# KiCad board 0xaxe.kicad_pcb
rev: 302
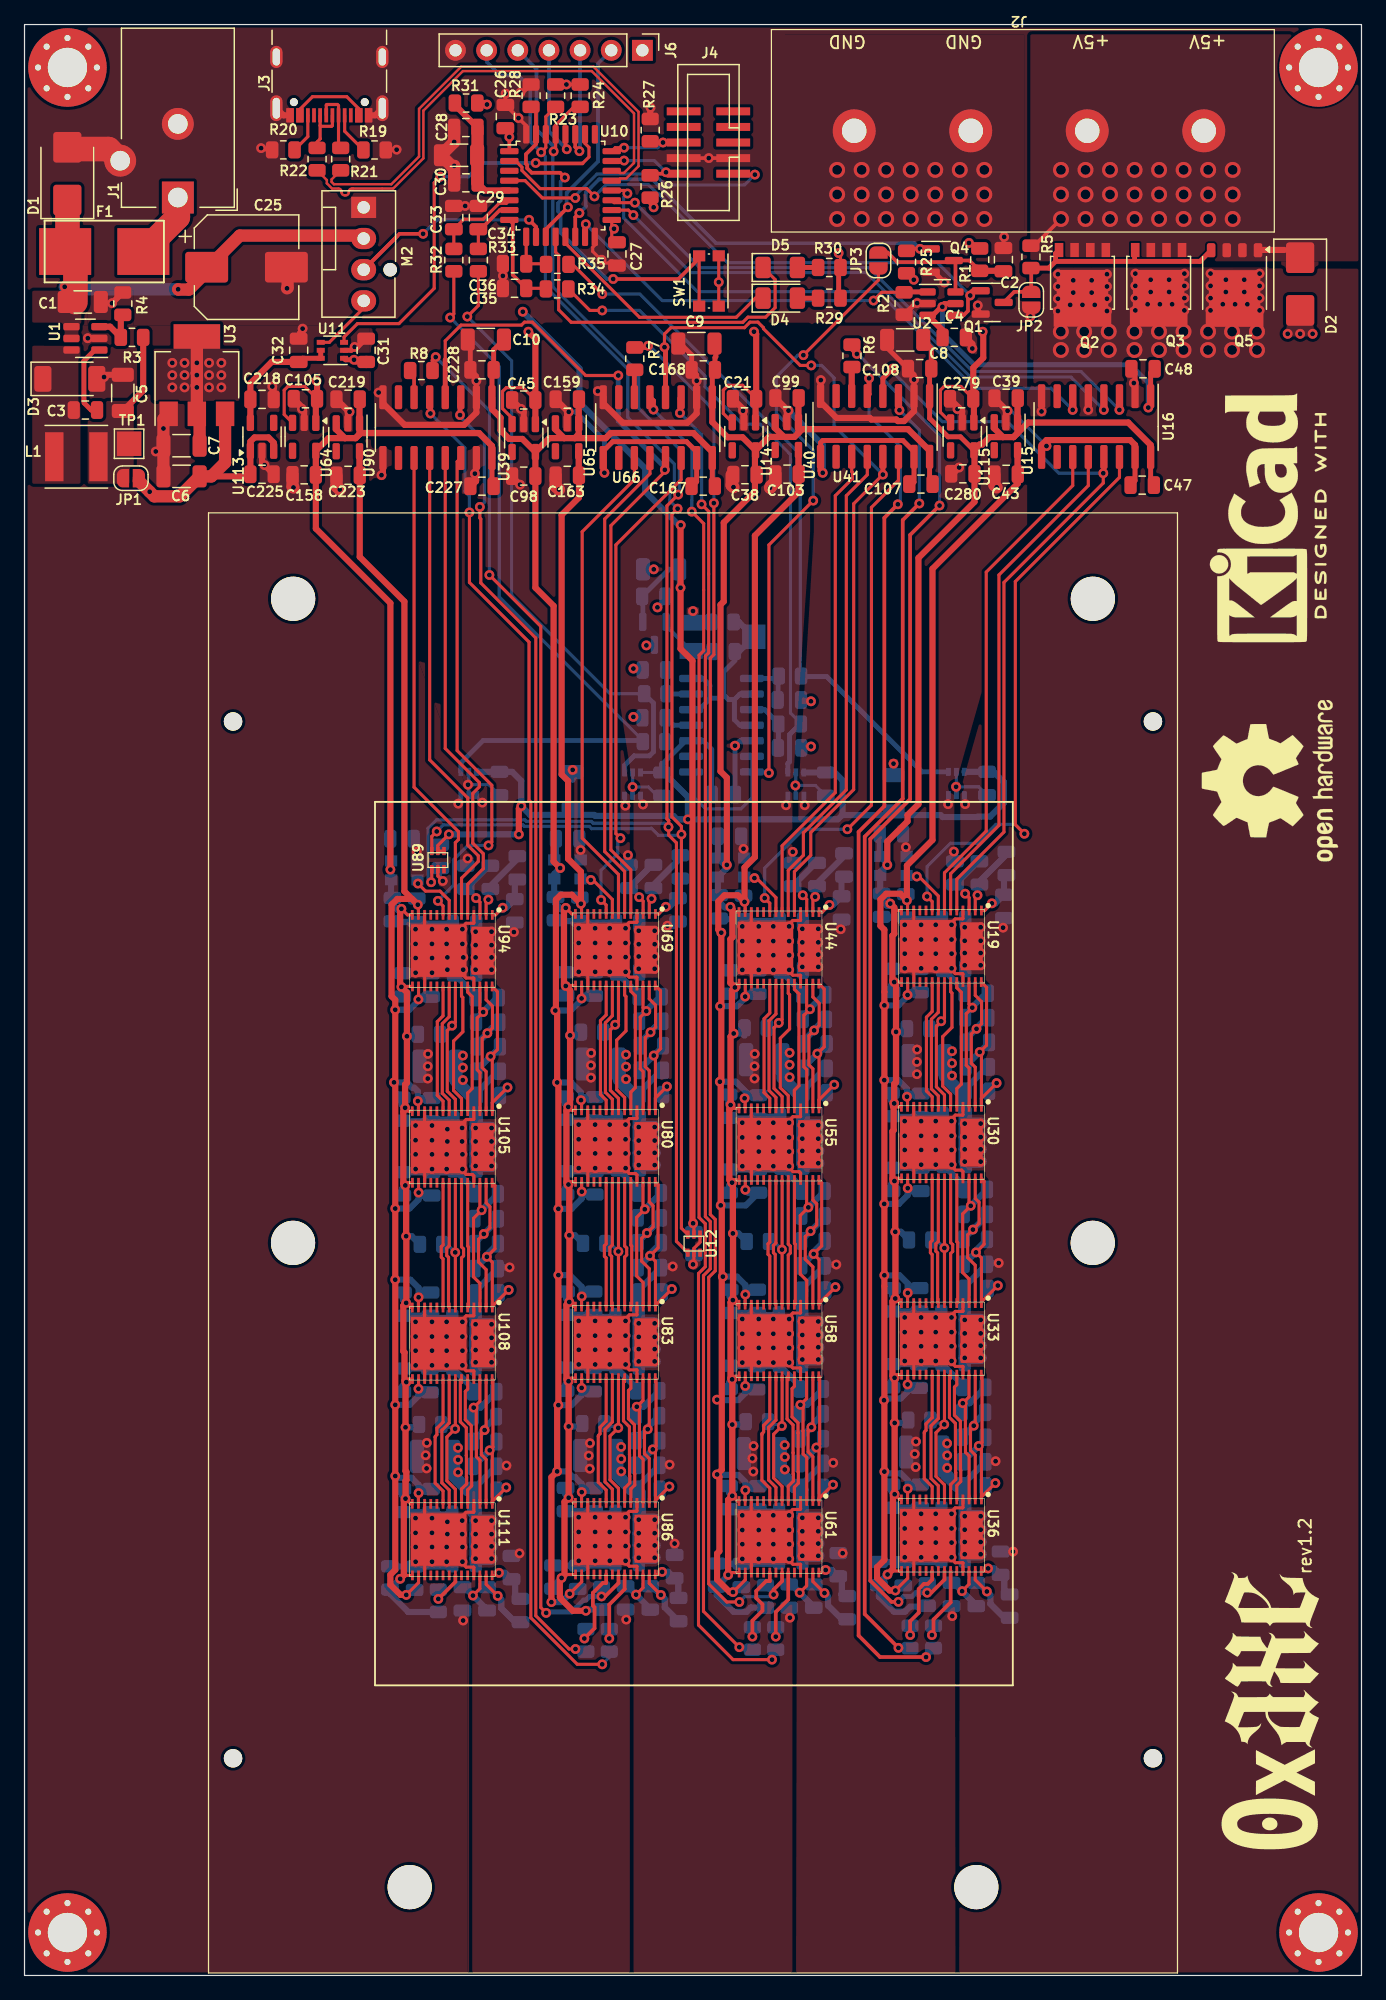
[diagram p0: board, top side]
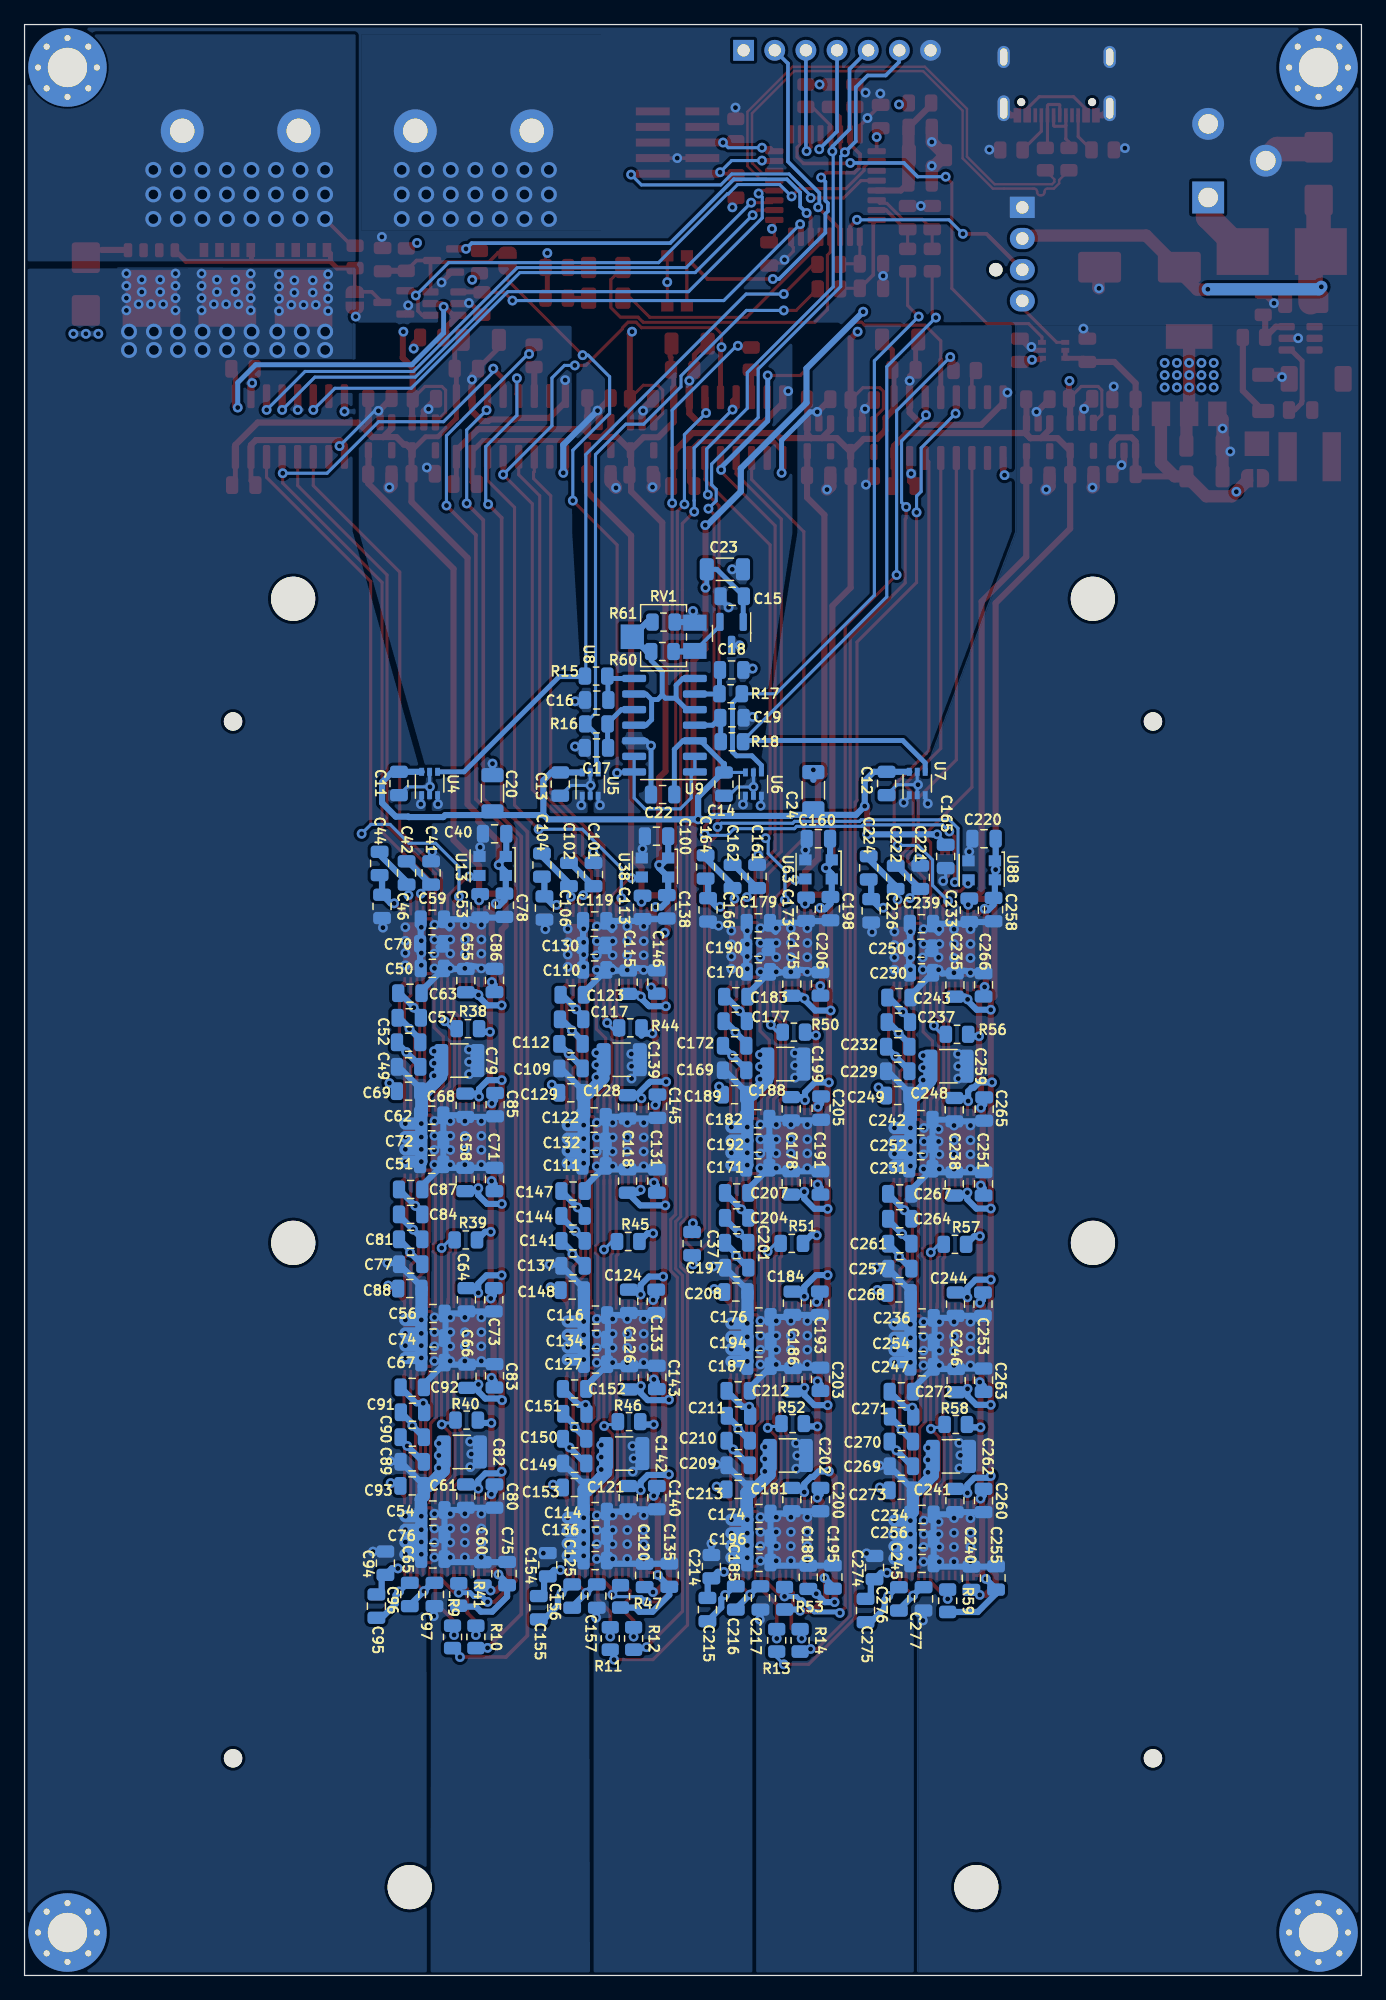
[diagram p1: board, bottom side, seen from below]

Outline 109 x 159 mm; copper layers: Top, In1.Cu, In2.Cu, Bottom. Coordinates in mm from the lower left corner of the outline.
Outline path: 0,159 0,0 109,0 109,159 0,159
Stack: Top 0.02mm / dielectric 0.5mm FR4 er 4.5 / In1.Cu 0.02mm / dielectric 0.5mm FR4 er 4.5 / In2.Cu 0.02mm / dielectric 0.5mm FR4 er 4.5 / Bottom 0.02mm

## Placement (name value [footprint] x y rotation side)
C1  10µ/50V  [C_1206_3216Metric]  4.75 136.39 0 top
C2  100n  [C_0805_2012Metric]  79.81 139.84 90 top
C3  10n/250V  [C_0805_2012Metric]  4.96 127.58 180 top
C4  100n  [C_0805_2012Metric]  75.8 133.5 0 top
C5  22µ/16V  [C_1206_3216Metric]  8.01 128.98 90 top
C6  10µ/50V  [C_1206_3216Metric]  12.8 122.17 180 top
C7  22µ/16V  [C_1206_3216Metric]  12.8 124.67 180 top
C8  10µ/50V  [C_1206_3216Metric]  71.8 133.3 180 top
C9  10µ/50V  [C_1206_3216Metric]  54.78 133 180 top
C10  10µ/50V  [C_1206_3216Metric]  37.61 133.32 180 top
C11  100n  [C_0805_2012Metric]  78.47 97.15 270 bottom
C12  100n  [C_0805_2012Metric]  38.72 97.15 270 bottom
C13  100n  [C_0805_2012Metric]  65.32 97.1 270 bottom
C14  100n  [C_0805_2012Metric]  51.98 97.1 270 bottom
C15  100n  [C_0805_2012Metric]  51.3 112.4 0 bottom
C16  100n  [C_0805_2012Metric]  62.35 103.95 0 bottom
C17  100n  [C_0805_2012Metric]  62.37 100.05 0 bottom
C18  100n  [C_0805_2012Metric]  51.35 106.4 180 bottom
C19  100n  [C_0805_2012Metric]  51.33 102.5 180 bottom
C20  10µ/50V  [C_1206_3216Metric]  70.85 96.35 90 bottom
C21  100n  [C_0805_2012Metric]  58.7 128.5 180 top
C22  100n  [C_0805_2012Metric]  56.97 96.25 0 bottom
C23  10µ/50V  [C_1206_3216Metric]  51.9 114.6 180 bottom
C24  10µ/50V  [C_1206_3216Metric]  44.69 96.6 90 bottom
C25  330µ  [CP_Elec_8x10]  18.1 139.22 0 top
C26  100n  [C_0805_2012Metric]  39.2 151.5 90 top
C27  100n  [C_0805_2012Metric]  48.3 140.3 270 top
C28  100n  [C_0805_2012Metric]  35.98 150.6 180 top
C29  1µ  [C_0805_2012Metric]  35.98 146.1 180 top
C30  10µ/50V  [C_1206_3216Metric]  35.42 148.35 180 top
C31  100n  [C_0805_2012Metric]  27.85 132.45 90 top
C32  100n  [C_0805_2012Metric]  22.35 132.45 90 top
C33  100n  [C_0805_2012Metric]  35 143.27 90 top
C34  100n  [C_0805_2012Metric]  37 143.27 90 top
C35  100n  [C_0805_2012Metric]  39.95 137.5 180 top
C36  100n  [C_0805_2012Metric]  39.95 139.5 180 top
C37  100n  [C_0805_2012Metric]  54.57 59.65 270 bottom
C38  1µ  [C_0805_2012Metric]  58.73 122.31 180 top
C39  100n  [C_0805_2012Metric]  80.03 128.55 180 top
C40  100n  [C_0805_2012Metric]  70.67 93.05 0 bottom
C41  1µ  [C_0805_2012Metric]  75.85 89.85 270 bottom
C42  1µ  [C_0805_2012Metric]  77.85 89.85 270 bottom
C43  1µ  [C_0805_2012Metric]  80.03 122.35 180 top
C44  1µ  [C_0805_2012Metric]  80.05 90.63 270 bottom
C45  100n  [C_0805_2012Metric]  40.7 128.4 180 top
C46  1µ  [C_0805_2012Metric]  79.85 87.13 270 bottom
C47  100n  [C_0805_2012Metric]  91.12 121.46 180 top
C48  100n  [C_0805_2012Metric]  91.19 130.94 180 top
C49  1µ  [C_0805_2012Metric]  77.69 74.05 180 bottom
C50  10µ/16V  [C_0805_2012Metric]  75.75 82.08 180 bottom
C51  10µ/16V  [C_0805_2012Metric]  75.8 66.11 180 bottom
C52  1µ  [C_0805_2012Metric]  77.69 76.05 0 bottom
C53  1µ  [C_0805_2012Metric]  71.85 87.18 90 bottom
C54  10µ/16V  [C_0805_2012Metric]  75.71 37.94 180 bottom
C55  1µ  [C_0805_2012Metric]  73.02 81.08 270 bottom
C56  10µ/16V  [C_0805_2012Metric]  75.7 53.95 180 bottom
C57  1µ  [C_0805_2012Metric]  77.64 78.05 180 bottom
C58  1µ  [C_0805_2012Metric]  73.07 64.87 270 bottom
C59  1µ  [C_0805_2012Metric]  75.75 86.08 180 bottom
C60  1µ  [C_0805_2012Metric]  71.64 32.73 270 bottom
C61  1µ  [C_0805_2012Metric]  73.02 39.07 90 bottom
C62  1µ  [C_0805_2012Metric]  75.8 70.11 180 bottom
C63  1µ  [C_0805_2012Metric]  77.58 80.05 180 bottom
C64  1µ  [C_0805_2012Metric]  72.97 55.07 90 bottom
C65  1µ  [C_0805_2012Metric]  75.71 33.94 180 bottom
C66  1µ  [C_0805_2012Metric]  72.92 48.84 270 bottom
C67  1µ  [C_0805_2012Metric]  75.7 49.95 180 bottom
C68  1µ  [C_0805_2012Metric]  73.07 70.92 90 bottom
C69  1µ  [C_0805_2012Metric]  77.69 72.07 180 bottom
C70  100n  [C_0805_2012Metric]  75.8 84.08 180 bottom
C71  1µ  [C_0805_2012Metric]  70.69 64.87 90 bottom
C72  100n  [C_0805_2012Metric]  75.8 68.11 180 bottom
C73  1µ  [C_0805_2012Metric]  70.74 55.07 270 bottom
C74  100n  [C_0805_2012Metric]  75.7 51.95 180 bottom
C75  1µ  [C_0805_2012Metric]  69.66 32.75 90 bottom
C76  100n  [C_0805_2012Metric]  75.71 35.94 180 bottom
C77  1µ  [C_0805_2012Metric]  77.52 57.97 180 bottom
C78  1µ  [C_0805_2012Metric]  69.87 87.23 270 bottom
C79  330µ/4V  [C_1210_3225Metric]  73.55 74.56 180 bottom
C80  1µ  [C_0805_2012Metric]  70.69 39.07 270 bottom
C81  1µ  [C_0805_2012Metric]  77.52 60 180 bottom
C82  330µ/4V  [C_1210_3225Metric]  73.35 42.66 180 bottom
C83  1µ  [C_0805_2012Metric]  70.69 48.87 90 bottom
C84  1µ  [C_0805_2012Metric]  77.52 62.03 180 bottom
C85  1µ  [C_0805_2012Metric]  70.64 70.97 270 bottom
C86  1µ  [C_0805_2012Metric]  70.69 81.09 90 bottom
C87  1µ  [C_0805_2012Metric]  77.52 64.06 180 bottom
C88  1µ  [C_0805_2012Metric]  77.58 55.98 180 bottom
C89  1µ  [C_0805_2012Metric]  77.39 41.86 180 bottom
C90  1µ  [C_0805_2012Metric]  77.39 43.87 180 bottom
C91  1µ  [C_0805_2012Metric]  77.37 45.9 180 bottom
C92  1µ  [C_0805_2012Metric]  77.39 47.93 180 bottom
C93  1µ  [C_0805_2012Metric]  77.4 39.9 180 bottom
C94  1µ  [C_0805_2012Metric]  79.58 33.6 270 bottom
C95  1µ  [C_0805_2012Metric]  80.31 30.1 270 bottom
C96  1µ  [C_0805_2012Metric]  77.59 31.05 270 bottom
C97  1µ  [C_0805_2012Metric]  75.58 31.05 270 bottom
C98  1µ  [C_0805_2012Metric]  40.7 122.2 180 top
C99  100n  [C_0805_2012Metric]  62.17 128.56 180 top
C100  100n  [C_0805_2012Metric]  57.47 92.85 0 bottom
C101  1µ  [C_0805_2012Metric]  62.61 89.73 270 bottom
C102  1µ  [C_0805_2012Metric]  64.61 89.73 270 bottom
C103  1µ  [C_0805_2012Metric]  62.17 122.36 180 top
C104  1µ  [C_0805_2012Metric]  66.81 90.5 270 bottom
C105  100n  [C_0805_2012Metric]  22.9 128.5 180 top
C106  1µ  [C_0805_2012Metric]  66.61 87 270 bottom
C107  100n  [C_0805_2012Metric]  73.08 121.55 180 top
C108  100n  [C_0805_2012Metric]  72.98 130.96 180 top
C109  1µ  [C_0805_2012Metric]  64.45 73.93 180 bottom
C110  10µ/16V  [C_0805_2012Metric]  62.51 81.95 180 bottom
C111  10µ/16V  [C_0805_2012Metric]  62.56 65.98 180 bottom
C112  1µ  [C_0805_2012Metric]  64.45 75.93 0 bottom
C113  1µ  [C_0805_2012Metric]  58.61 87.05 90 bottom
C114  10µ/16V  [C_0805_2012Metric]  62.47 37.81 180 bottom
C115  1µ  [C_0805_2012Metric]  59.78 80.95 270 bottom
C116  10µ/16V  [C_0805_2012Metric]  62.45 53.82 180 bottom
C117  1µ  [C_0805_2012Metric]  64.4 77.93 180 bottom
C118  1µ  [C_0805_2012Metric]  59.83 64.74 270 bottom
C119  1µ  [C_0805_2012Metric]  62.51 85.95 180 bottom
C120  1µ  [C_0805_2012Metric]  58.44 32.6 270 bottom
C121  1µ  [C_0805_2012Metric]  59.78 38.94 90 bottom
C122  1µ  [C_0805_2012Metric]  62.56 69.98 180 bottom
C123  1µ  [C_0805_2012Metric]  64.35 79.93 180 bottom
C124  1µ  [C_0805_2012Metric]  59.73 54.94 90 bottom
C125  1µ  [C_0805_2012Metric]  62.47 33.81 180 bottom
C126  1µ  [C_0805_2012Metric]  59.68 48.71 270 bottom
C127  1µ  [C_0805_2012Metric]  62.45 49.82 180 bottom
C128  1µ  [C_0805_2012Metric]  59.83 70.79 90 bottom
C129  1µ  [C_0805_2012Metric]  64.46 71.94 180 bottom
C130  100n  [C_0805_2012Metric]  62.56 83.95 180 bottom
C131  1µ  [C_0805_2012Metric]  57.45 64.74 90 bottom
C132  100n  [C_0805_2012Metric]  62.56 67.98 180 bottom
C133  1µ  [C_0805_2012Metric]  57.5 54.94 270 bottom
C134  100n  [C_0805_2012Metric]  62.45 51.82 180 bottom
C135  1µ  [C_0805_2012Metric]  56.43 32.62 90 bottom
C136  100n  [C_0805_2012Metric]  62.47 35.81 180 bottom
C137  1µ  [C_0805_2012Metric]  64.28 57.84 180 bottom
C138  1µ  [C_0805_2012Metric]  56.63 87.1 270 bottom
C139  330µ/4V  [C_1210_3225Metric]  60.31 74.63 180 bottom
C140  1µ  [C_0805_2012Metric]  57.45 38.94 270 bottom
C141  1µ  [C_0805_2012Metric]  64.28 59.87 180 bottom
C142  330µ/4V  [C_1210_3225Metric]  60.11 42.53 180 bottom
C143  1µ  [C_0805_2012Metric]  57.45 48.74 90 bottom
C144  1µ  [C_0805_2012Metric]  64.28 61.9 180 bottom
C145  1µ  [C_0805_2012Metric]  57.4 70.84 270 bottom
C146  1µ  [C_0805_2012Metric]  57.45 80.97 90 bottom
C147  1µ  [C_0805_2012Metric]  64.28 63.93 180 bottom
C148  1µ  [C_0805_2012Metric]  64.35 55.85 180 bottom
C149  1µ  [C_0805_2012Metric]  64.15 41.73 180 bottom
C150  1µ  [C_0805_2012Metric]  64.15 43.74 180 bottom
C151  1µ  [C_0805_2012Metric]  64.13 45.77 180 bottom
C152  1µ  [C_0805_2012Metric]  64.15 47.8 180 bottom
C153  1µ  [C_0805_2012Metric]  64.16 39.77 180 bottom
C154  1µ  [C_0805_2012Metric]  66.34 33.47 270 bottom
C155  1µ  [C_0805_2012Metric]  67.07 29.97 270 bottom
C156  1µ  [C_0805_2012Metric]  64.35 30.92 270 bottom
C157  1µ  [C_0805_2012Metric]  62.34 30.92 270 bottom
C158  1µ  [C_0805_2012Metric]  22.8 122.3 180 top
C159  100n  [C_0805_2012Metric]  44.25 128.46 180 top
C160  100n  [C_0805_2012Metric]  44.27 92.65 0 bottom
C161  1µ  [C_0805_2012Metric]  49.27 89.57 270 bottom
C162  1µ  [C_0805_2012Metric]  51.27 89.57 270 bottom
C163  1µ  [C_0805_2012Metric]  44.25 122.26 180 top
C164  1µ  [C_0805_2012Metric]  53.47 90.35 270 bottom
C165  100n  [C_0805_2012Metric]  33.9 91.2 270 bottom
C166  1µ  [C_0805_2012Metric]  53.27 86.85 270 bottom
C167  100n  [C_0805_2012Metric]  55.33 121.38 180 top
C168  100n  [C_0805_2012Metric]  55.34 130.86 180 top
C169  1µ  [C_0805_2012Metric]  51.11 73.77 180 bottom
C170  10µ/16V  [C_0805_2012Metric]  49.17 81.8 180 bottom
C171  10µ/16V  [C_0805_2012Metric]  49.22 65.83 180 bottom
C172  1µ  [C_0805_2012Metric]  51.11 75.77 0 bottom
C173  1µ  [C_0805_2012Metric]  45.27 86.89 90 bottom
C174  10µ/16V  [C_0805_2012Metric]  49.13 37.65 180 bottom
C175  1µ  [C_0805_2012Metric]  46.45 80.8 270 bottom
C176  10µ/16V  [C_0805_2012Metric]  49.12 53.67 180 bottom
C177  1µ  [C_0805_2012Metric]  51.06 77.77 180 bottom
C178  1µ  [C_0805_2012Metric]  46.5 64.59 270 bottom
C179  1µ  [C_0805_2012Metric]  49.17 85.8 180 bottom
C180  1µ  [C_0805_2012Metric]  45.1 32.45 270 bottom
C181  1µ  [C_0805_2012Metric]  46.45 38.78 90 bottom
C182  1µ  [C_0805_2012Metric]  49.22 69.83 180 bottom
C183  1µ  [C_0805_2012Metric]  51.01 79.77 180 bottom
C184  1µ  [C_0805_2012Metric]  46.39 54.79 90 bottom
C185  1µ  [C_0805_2012Metric]  49.13 33.65 180 bottom
C186  1µ  [C_0805_2012Metric]  46.34 48.55 270 bottom
C187  1µ  [C_0805_2012Metric]  49.12 49.67 180 bottom
C188  1µ  [C_0805_2012Metric]  46.5 70.64 90 bottom
C189  1µ  [C_0805_2012Metric]  51.12 71.79 180 bottom
C190  100n  [C_0805_2012Metric]  49.22 83.8 180 bottom
C191  1µ  [C_0805_2012Metric]  44.11 64.59 90 bottom
C192  100n  [C_0805_2012Metric]  49.22 67.83 180 bottom
C193  1µ  [C_0805_2012Metric]  44.16 54.79 270 bottom
C194  100n  [C_0805_2012Metric]  49.12 51.67 180 bottom
C195  1µ  [C_0805_2012Metric]  43.09 32.47 90 bottom
C196  100n  [C_0805_2012Metric]  49.13 35.65 180 bottom
C197  1µ  [C_0805_2012Metric]  50.94 57.68 180 bottom
C198  1µ  [C_0805_2012Metric]  43.3 86.94 270 bottom
C199  330µ/4V  [C_1210_3225Metric]  46.97 74.28 180 bottom
C200  1µ  [C_0805_2012Metric]  44.11 38.78 270 bottom
C201  1µ  [C_0805_2012Metric]  50.94 59.71 180 bottom
C202  330µ/4V  [C_1210_3225Metric]  46.77 42.38 180 bottom
C203  1µ  [C_0805_2012Metric]  44.11 48.59 90 bottom
C204  1µ  [C_0805_2012Metric]  50.94 61.75 180 bottom
C205  1µ  [C_0805_2012Metric]  44.06 70.69 270 bottom
C206  1µ  [C_0805_2012Metric]  44.11 80.81 90 bottom
C207  1µ  [C_0805_2012Metric]  50.94 63.78 180 bottom
C208  1µ  [C_0805_2012Metric]  51.01 55.7 180 bottom
C209  1µ  [C_0805_2012Metric]  50.81 41.58 180 bottom
C210  1µ  [C_0805_2012Metric]  50.81 43.59 180 bottom
C211  1µ  [C_0805_2012Metric]  50.79 45.62 180 bottom
C212  1µ  [C_0805_2012Metric]  50.81 47.65 180 bottom
C213  1µ  [C_0805_2012Metric]  50.82 39.62 180 bottom
C214  1µ  [C_0805_2012Metric]  53 33.32 270 bottom
C215  1µ  [C_0805_2012Metric]  53.32 29.82 270 bottom
C216  1µ  [C_0805_2012Metric]  51.01 30.77 270 bottom
C217  1µ  [C_0805_2012Metric]  49 30.77 270 bottom
C218  1µ  [C_0805_2012Metric]  19.36 128.45 0 top
C219  100n  [C_0805_2012Metric]  26.38 128.46 180 top
C220  100n  [C_0805_2012Metric]  30.77 92.65 0 bottom
C221  1µ  [C_0805_2012Metric]  35.97 89.5 270 bottom
C222  1µ  [C_0805_2012Metric]  37.97 89.5 270 bottom
C223  1µ  [C_0805_2012Metric]  26.38 122.26 180 top
C224  1µ  [C_0805_2012Metric]  40.17 90.27 270 bottom
C225  1µ  [C_0805_2012Metric]  19.36 122.35 0 top
C226  1µ  [C_0805_2012Metric]  39.97 86.77 270 bottom
C227  100n  [C_0805_2012Metric]  37.3 121.38 180 top
C228  100n  [C_0805_2012Metric]  37.3 130.86 180 top
C229  1µ  [C_0805_2012Metric]  37.81 73.7 180 bottom
C230  10µ/16V  [C_0805_2012Metric]  35.87 81.72 180 bottom
C231  10µ/16V  [C_0805_2012Metric]  35.92 65.75 180 bottom
C232  1µ  [C_0805_2012Metric]  37.81 75.7 0 bottom
C233  1µ  [C_0805_2012Metric]  31.97 86.82 90 bottom
C234  10µ/16V  [C_0805_2012Metric]  35.83 37.58 180 bottom
C235  1µ  [C_0805_2012Metric]  33.15 80.72 270 bottom
C236  10µ/16V  [C_0805_2012Metric]  35.83 53.59 180 bottom
C237  1µ  [C_0805_2012Metric]  37.76 77.7 180 bottom
C238  1µ  [C_0805_2012Metric]  33.2 64.52 270 bottom
C239  1µ  [C_0805_2012Metric]  35.87 85.72 180 bottom
C240  1µ  [C_0805_2012Metric]  31.8 32.37 270 bottom
C241  1µ  [C_0805_2012Metric]  33.15 38.71 90 bottom
C242  1µ  [C_0805_2012Metric]  35.92 69.75 180 bottom
C243  1µ  [C_0805_2012Metric]  37.71 79.7 180 bottom
C244  1µ  [C_0805_2012Metric]  33.09 54.71 90 bottom
C245  1µ  [C_0805_2012Metric]  35.83 33.58 180 bottom
C246  1µ  [C_0805_2012Metric]  33.04 48.48 270 bottom
C247  1µ  [C_0805_2012Metric]  35.83 49.6 180 bottom
C248  1µ  [C_0805_2012Metric]  33.2 70.56 90 bottom
C249  1µ  [C_0805_2012Metric]  37.82 71.71 180 bottom
C250  100n  [C_0805_2012Metric]  35.92 83.72 180 bottom
C251  1µ  [C_0805_2012Metric]  30.81 64.52 90 bottom
C252  100n  [C_0805_2012Metric]  35.92 67.75 180 bottom
C253  1µ  [C_0805_2012Metric]  30.86 54.71 270 bottom
C254  100n  [C_0805_2012Metric]  35.83 51.6 180 bottom
C255  1µ  [C_0805_2012Metric]  29.79 32.4 90 bottom
C256  100n  [C_0805_2012Metric]  35.83 35.58 180 bottom
C257  1µ  [C_0805_2012Metric]  37.64 57.61 180 bottom
C258  1µ  [C_0805_2012Metric]  30 86.87 270 bottom
C259  330µ/4V  [C_1210_3225Metric]  33.67 74.11 180 bottom
C260  1µ  [C_0805_2012Metric]  30.81 38.71 270 bottom
C261  1µ  [C_0805_2012Metric]  37.64 59.64 180 bottom
C262  330µ/4V  [C_1210_3225Metric]  33.47 42.31 180 bottom
C263  1µ  [C_0805_2012Metric]  30.81 48.51 90 bottom
C264  1µ  [C_0805_2012Metric]  37.64 61.67 180 bottom
C265  1µ  [C_0805_2012Metric]  30.76 70.61 270 bottom
C266  1µ  [C_0805_2012Metric]  30.81 80.74 90 bottom
C267  1µ  [C_0805_2012Metric]  37.64 63.7 180 bottom
C268  1µ  [C_0805_2012Metric]  37.71 55.62 180 bottom
C269  1µ  [C_0805_2012Metric]  37.51 41.5 180 bottom
C270  1µ  [C_0805_2012Metric]  37.51 43.51 180 bottom
C271  1µ  [C_0805_2012Metric]  37.49 45.54 180 bottom
C272  1µ  [C_0805_2012Metric]  37.51 47.57 180 bottom
C273  1µ  [C_0805_2012Metric]  37.52 39.54 180 bottom
C274  1µ  [C_0805_2012Metric]  39.7 33.24 270 bottom
C275  1µ  [C_0805_2012Metric]  40.44 29.74 270 bottom
C276  1µ  [C_0805_2012Metric]  37.71 30.69 270 bottom
C277  1µ  [C_0805_2012Metric]  35.7 30.69 270 bottom
C279  100n  [C_0805_2012Metric]  76.4 128.5 180 top
C280  1µ  [C_0805_2012Metric]  76.5 122.39 180 top
D1  SMBJ12A  [D_SMB]  3.49 146.85 90 top
D2  SMBJ5.0A  [D_SMB]  104 137.85 270 top
D3  PMEG4030EP,115  [D_SOD-128]  3.69 130.12 0 top
D4  LED  [LED_1206_3216Metric]  61.61 136.7 0 top
D5  LED  [LED_1206_3216Metric]  61.61 139.2 0 top
F1  0.5A  [fuseholder_littlefuse_blok]  6.5 140.5 0 top
G***  -  [LOGO]  101.53 21.35 90 top
J1  Barrel_Jack_Switch  [BarrelJack_CUI_PJ-102AH_Horizontal]  12.5 144.9 180 top
J2  Conn_01x04  [BARRIER-TERMINAL-ANYTEK-4pol]  81.39 150.34 180 top
J3  USB_C_Receptacle_USB2.0  [USB_C_Receptacle_GCT_USB4105-xx-A_16P_TopMnt_Horizontal]  24.85 155.28 180 top
J4  SWD  [PinHeader_IDC_2x05_P1.27mm_Vertical_SMD]  55.76 149.38 180 top
J6  Conn_01x05  [PinHeader_1x07_P2.54mm_Vertical]  50.38 156.9 270 top  (not fitted)
JP1  SolderJumper_2_Open  [SolderJumper-2_P1.3mm_Open_RoundedPad1.0x1.5mm]  8.67 122.02 0 top
JP2  SolderJumper_2_Open  [SolderJumper-2_P1.3mm_Open_RoundedPad1.0x1.5mm]  82.08 136.56 90 top
JP3  SolderJumper_2_Open  [SolderJumper-2_P1.3mm_Open_RoundedPad1.0x1.5mm]  69.62 139.77 90 top
L1  4.7µH/2A/3A  [L_Taiyo-Yuden_NR-50xx]  4.23 123.77 0 top
M2  Fan_4pin  [FanPinHeader_1x04_P2.54mm_Vertical]  27.65 144.1 270 top
Q1  BSS138  [SOT-23]  78.89 136.35 0 top
Q2  TPH1R712MD,L1Q  [LFPAK56]  86.25 137.95 270 top
Q3  TPH1R712MD,L1Q  [LFPAK56]  92.46 137.95 270 top
Q4  BSS138  [SOT-23]  74.83 139.77 0 top
Q5  TPH1R712MD,L1Q  [LFPAK56#2]  98.66 137.94 270 top
R1  10k  [R_0805_2012Metric]  77.88 139.84 90 top
R2  10k  [R_0805_2012Metric]  71.71 136.26 90 top
R3  49.9k  [R_0805_2012Metric]  8.76 133.5 180 top
R4  7.15k  [R_0805_2012Metric]  8.01 136.25 90 top
R5  10k  [R_0805_2012Metric]  82.05 140.06 90 top
R6  22  [R_0805_2012Metric]  67.46 132 270 top
R7  22  [R_0805_2012Metric]  49.75 131.77 270 top
R8  22  [R_0805_2012Metric]  32.35 130.8 180 top
R9  22  [R_0805_2012Metric]  74.11 27.59 270 bottom
R10  22  [R_0805_2012Metric]  72.2 27.59 270 bottom
R11  22  [R_0805_2012Metric]  61.25 27.46 270 bottom
R12  22  [R_0805_2012Metric]  59.34 27.46 270 bottom
R13  22  [R_0805_2012Metric]  47.67 27.31 270 bottom
R14  22  [R_0805_2012Metric]  45.77 27.31 270 bottom
R15  1k  [R_0805_2012Metric]  62.4 105.9 180 bottom
R16  1k  [R_0805_2012Metric]  62.37 102 180 bottom
R17  1k  [R_0805_2012Metric]  51.43 104.46 0 bottom
R18  1k  [R_0805_2012Metric]  51.33 100.55 0 bottom
R19  5.1k  [R_0805_2012Metric]  28.54 148.78 180 top
R20  5.1k  [R_0805_2012Metric]  21.1 148.78 0 top
R21  22  [R_0805_2012Metric]  25.78 148.03 90 top
R22  22  [R_0805_2012Metric]  23.85 148.03 90 top
R23  1.5k  [R_0805_2012Metric]  43.3 153.2 270 top
R24  1.5k  [R_0805_2012Metric]  45.3 153.2 270 top
R25  10k  [R_0805_2012Metric]  71.91 139.64 270 top
R26  10k  [R_0805_2012Metric]  51 145.8 270 top
R27  10k  [R_0805_2012Metric]  51.01 150.4 270 top
R28  100k  [R_0805_2012Metric]  41.3 153.2 270 top
R29  560  [R_0805_2012Metric]  65.61 136.7 180 top
R30  560  [R_0805_2012Metric]  65.61 139.2 180 top
R31  22  [R_0805_2012Metric]  36 152.6 0 top
R32  1k  [R_0805_2012Metric]  35 139.8 270 top
R33  1k  [R_0805_2012Metric]  37 139.8 270 top
R34  1k  [R_0805_2012Metric]  43.42 137.45 0 top
R35  1k  [R_0805_2012Metric]  43.44 139.45 0 top
R38  10k  [R_0805_2012Metric]  72.85 77.16 180 bottom
R39  10k  [R_0805_2012Metric]  73.02 59.95 180 bottom
R40  10k  [R_0805_2012Metric]  72.95 45.26 180 bottom
R41  10k  [R_0805_2012Metric]  73.6 31.04 270 bottom
R44  10k  [R_0805_2012Metric]  59.61 77.23 180 bottom
R45  10k  [R_0805_2012Metric]  59.78 59.82 180 bottom
R46  10k  [R_0805_2012Metric]  59.71 45.13 180 bottom
R47  10k  [R_0805_2012Metric]  60.41 30.9 270 bottom
R50  10k  [R_0805_2012Metric]  46.27 76.88 180 bottom
R51  10k  [R_0805_2012Metric]  46.45 59.66 180 bottom
R52  10k  [R_0805_2012Metric]  46.37 44.98 180 bottom
R53  10k  [R_0805_2012Metric]  47.04 30.74 270 bottom
R56  10k  [R_0805_2012Metric]  32.97 76.71 180 bottom
R57  10k  [R_0805_2012Metric]  33.15 59.59 180 bottom
R58  10k  [R_0805_2012Metric]  33.07 44.91 180 bottom
R59  10k  [R_0805_2012Metric]  33.74 30.54 270 bottom
R60  3.92k  [R_0805_2012Metric]  57 107.9 0 bottom
R61  6.04k  [R_0805_2012Metric]  56.9 110.3 180 bottom
REF**  -  [stencil-registration]  17 17.7 0 top
REF**#2  -  [MountingHole_3.2mm_M3_Pad_Via]  3.5 3.5 0 top
REF**#3  -  [MountingHole_3.7mm]  21.89 59.71 0 top